# KiCad board hvd-50-ce-panel.kicad_pcb (continued)
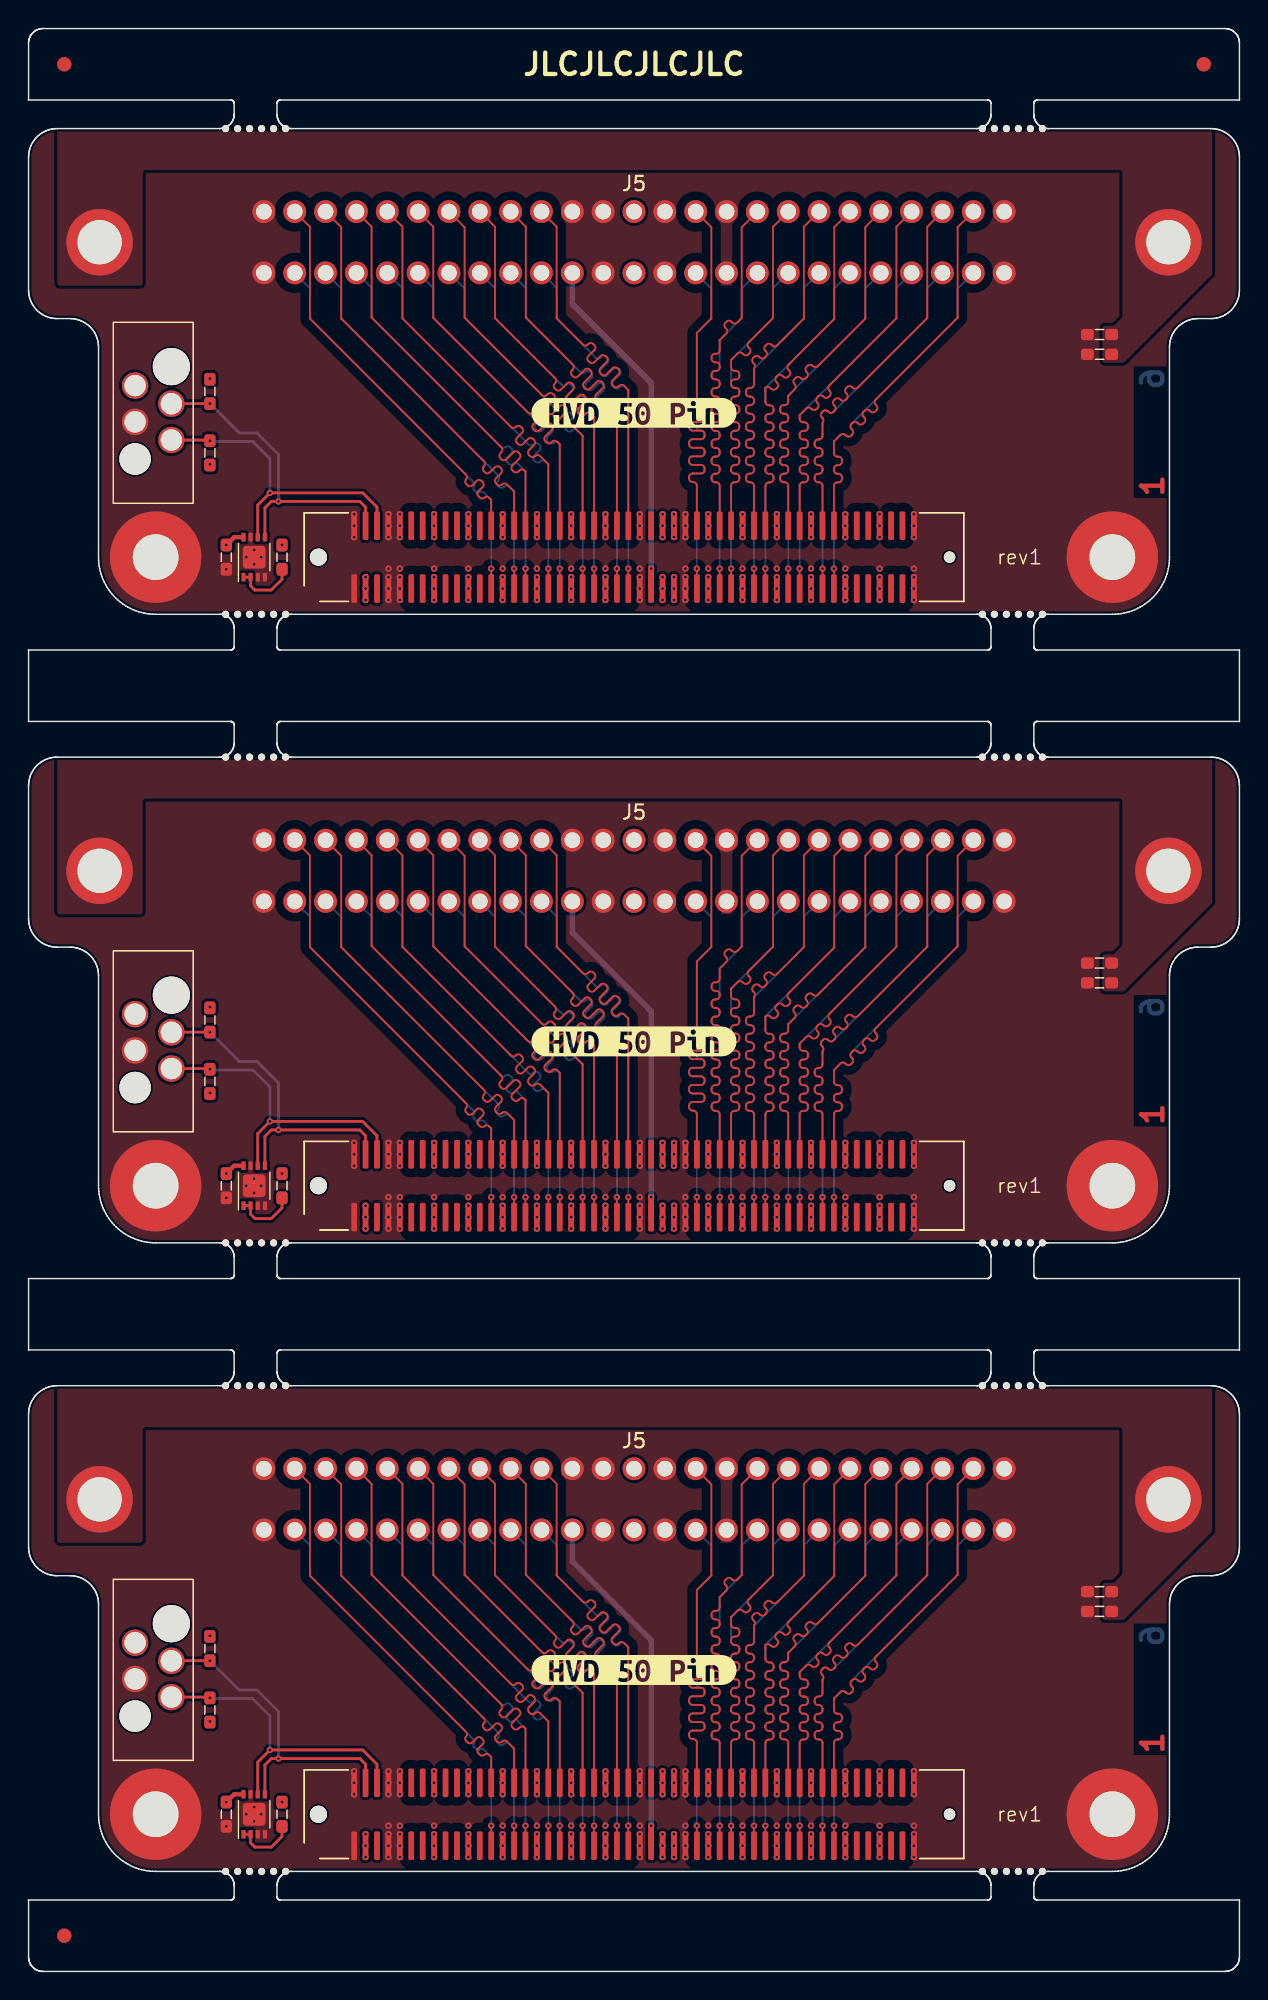
[diagram p0: board, top side]
## Routing (per net, layer and track width the routed paths; a pad name or vN(x,y) marks a point on that pad's centre or on a via; arc(x,y) is an arc through that point) (continued)
Board_1-+3V3: length 1.4
  Top w0.3: U1#2.8 14.4,56.4 v1(13.85,55.85)
  vias: v1(12.7,67.5) v1(12.7,61.5) v1(17.75,55.85) v1(23.6,53.6) v1(23.6,52.8) v1(23.6,52)
Board_1-/CON.ACK+: length 28.2
  Top w0.128: J1.67 v1(49.2,54.2)
  Bottom w0.128: J5#3.18 52.14,73.84 52.14,71.74 49.2,68.8 49.2,67.1 arc(49.27,66.93) 49.44,66.86 49.54,66.86 arc(49.71,66.79) 49.78,66.62 49.78,66.5 arc(49.71,66.33) 49.54,66.26 49.44,66.26 arc(49.27,66.19) 49.2,66.02 49.2,65.9 arc(49.27,65.73) 49.44,65.66 49.54,65.66 arc(49.71,65.59) 49.78,65.42 49.78,65.3 arc(49.71,65.13) 49.54,65.06 49.44,65.06 arc(49.27,64.99) 49.2,64.82 49.2,64.7 arc(49.27,64.53) 49.44,64.46 49.54,64.46 arc(49.71,64.39) 49.78,64.22 49.78,64.1 arc(49.71,63.93) 49.54,63.86 49.44,63.86 arc(49.27,63.79) 49.2,63.62 49.2,63.5 arc(49.27,63.33) 49.44,63.26 49.54,63.26 arc(49.71,63.19) 49.78,63.02 49.78,62.9 arc(49.71,62.73) 49.54,62.66 49.44,62.66 arc(49.27,62.59) 49.2,62.42 49.2,62.3 arc(49.27,62.13) 49.44,62.06 49.54,62.06 arc(49.71,61.99) 49.78,61.82 49.78,61.7 arc(49.71,61.53) 49.54,61.46 49.44,61.46 arc(49.27,61.39) 49.2,61.22 49.2,61.1 arc(49.27,60.93) 49.44,60.86 49.54,60.86 arc(49.71,60.79) 49.78,60.62 49.78,60.5 arc(49.71,60.33) 49.54,60.26 49.44,60.26 arc(49.27,60.19) 49.2,60.02 v1(49.2,54.2)
Board_1-/CON.ACK-: length 29.6
  Top w0.128: J5#3.43 52.14,78.13 52.14,71.74 50.42,70.03 arc(50.35,69.86) 50.42,69.69 50.49,69.62 arc(50.56,69.45) 50.49,69.28 50.41,69.19 arc(50.24,69.12) 50.07,69.19 50,69.26 arc(49.83,69.33) 49.66,69.26 49.2,68.8 49.2,68.28 arc(49.27,68.12) 49.44,68.04 49.54,68.04 arc(49.71,67.97) 49.78,67.8 49.78,67.68 arc(49.71,67.52) 49.54,67.44 49.44,67.44 arc(49.27,67.37) 49.2,67.2 49.2,67.08 arc(49.27,66.92) 49.44,66.84 49.54,66.84 arc(49.71,66.77) 49.78,66.6 49.78,66.48 arc(49.71,66.32) 49.54,66.24 49.44,66.24 arc(49.27,66.17) 49.2,66 49.2,65.88 arc(49.27,65.72) 49.44,65.64 49.54,65.64 arc(49.71,65.57) 49.78,65.4 49.78,65.28 arc(49.71,65.12) 49.54,65.04 49.44,65.04 arc(49.27,64.97) 49.2,64.8 49.2,64.68 arc(49.27,64.52) 49.44,64.44 49.54,64.44 arc(49.71,64.37) 49.78,64.2 49.78,64.08 arc(49.71,63.92) 49.54,63.84 49.44,63.84 arc(49.27,63.77) 49.2,63.6 49.2,63.48 arc(49.27,63.32) 49.44,63.24 49.54,63.24 arc(49.71,63.17) 49.78,63 49.78,62.88 arc(49.71,62.72) 49.54,62.64 49.44,62.64 arc(49.27,62.57) 49.2,62.4 49.2,62.28 arc(49.27,62.12) 49.44,62.04 49.54,62.04 arc(49.71,61.97) 49.78,61.8 49.78,61.68 arc(49.71,61.52) 49.54,61.44 49.44,61.44 arc(49.27,61.37) 49.2,61.2 49.2,61.08 arc(49.27,60.92) 49.44,60.84 49.54,60.84 arc(49.71,60.77) 49.78,60.6 49.78,60.48 arc(49.71,60.32) 49.54,60.24 49.44,60.24 arc(49.27,60.17) 49.2,60 J1.68
Board_1-/CON.ATN+: length 28.2
  Top w0.128: J1.61 v1(46.8,54.2)
  Bottom w0.128: v1(46.8,54.2) 46.8,60.02 arc(46.73,60.19) 46.56,60.26 46.48,60.26 arc(46.31,60.33) 46.24,60.5 46.24,60.62 arc(46.31,60.79) 46.48,60.86 47.12,60.86 arc(47.29,60.93) 47.36,61.1 47.36,61.22 arc(47.29,61.39) 47.12,61.46 46.48,61.46 arc(46.31,61.53) 46.24,61.7 46.24,61.82 arc(46.31,61.99) 46.48,62.06 47.12,62.06 arc(47.29,62.13) 47.36,62.3 47.36,62.42 arc(47.29,62.59) 47.12,62.66 46.48,62.66 arc(46.31,62.73) 46.24,62.9 46.24,63.02 arc(46.31,63.19) 46.48,63.26 47.12,63.26 arc(47.29,63.33) 47.36,63.5 47.36,63.62 arc(47.29,63.79) 47.12,63.86 47.04,63.86 arc(46.87,63.93) 46.8,64.1 46.8,70.7 47.81,71.71 47.81,73.81 J5#3.15
Board_1-/CON.ATN-: length 29.6
  Top w0.128: J5#3.40 47.82,78.1 47.82,71.72 46.8,70.7 46.8,65.3 arc(46.87,65.13) 47.04,65.06 47.1,65.06 arc(47.27,64.99) 47.34,64.82 47.34,64.7 arc(47.27,64.53) 47.1,64.46 46.5,64.46 arc(46.33,64.39) 46.26,64.22 46.26,64.1 arc(46.33,63.93) 46.5,63.86 47.1,63.86 arc(47.27,63.79) 47.34,63.62 47.34,63.5 arc(47.27,63.33) 47.1,63.26 46.5,63.26 arc(46.33,63.19) 46.26,63.02 46.26,62.9 arc(46.33,62.73) 46.5,62.66 47.1,62.66 arc(47.27,62.59) 47.34,62.42 47.34,62.3 arc(47.27,62.13) 47.1,62.06 46.5,62.06 arc(46.33,61.99) 46.26,61.82 46.26,61.7 arc(46.33,61.53) 46.5,61.46 47.1,61.46 arc(47.27,61.39) 47.34,61.22 47.34,61.1 arc(47.27,60.93) 47.1,60.86 46.5,60.86 arc(46.33,60.79) 46.26,60.62 46.26,60.5 arc(46.33,60.33) 46.5,60.26 46.56,60.26 arc(46.73,60.19) 46.8,60.02 J1.62
Board_1-/CON.BSY+: length 28.2
  Top w0.128: J1.65 v1(48.4,54.2)
  Bottom w0.128: J5#3.17 49.94,73.8 49.94,71.74 48.4,70.2 48.4,68.29 arc(48.33,68.12) 48.16,68.05 48.08,68.05 arc(47.91,67.98) 47.84,67.81 47.84,67.69 arc(47.91,67.52) 48.08,67.45 48.16,67.45 arc(48.33,67.38) 48.4,67.21 48.4,67.09 arc(48.33,66.92) 48.16,66.85 48.08,66.85 arc(47.91,66.78) 47.84,66.61 47.84,66.49 arc(47.91,66.32) 48.08,66.25 48.16,66.25 arc(48.33,66.18) 48.4,66.01 48.4,65.89 arc(48.33,65.72) 48.16,65.65 48.08,65.65 arc(47.91,65.58) 47.84,65.41 47.84,65.29 arc(47.91,65.12) 48.08,65.05 48.16,65.05 arc(48.33,64.98) 48.4,64.81 48.4,64.69 arc(48.33,64.52) 48.16,64.45 48.08,64.45 arc(47.91,64.38) 47.84,64.21 47.84,64.09 arc(47.91,63.92) 48.08,63.85 48.16,63.85 arc(48.33,63.78) 48.4,63.61 48.4,63.49 arc(48.33,63.32) 48.16,63.25 48.08,63.25 arc(47.91,63.18) 47.84,63.01 47.84,62.89 arc(47.91,62.72) 48.08,62.65 48.16,62.65 arc(48.33,62.58) 48.4,62.41 48.4,62.29 arc(48.33,62.12) 48.16,62.05 48.08,62.05 arc(47.91,61.98) 47.84,61.81 47.84,61.69 arc(47.91,61.52) 48.08,61.45 48.16,61.45 arc(48.33,61.38) 48.4,61.21 48.4,61.09 arc(48.33,60.92) 48.16,60.85 48.08,60.85 arc(47.91,60.78) 47.84,60.61 47.84,60.49 arc(47.91,60.32) 48.08,60.25 48.16,60.25 arc(48.33,60.18) 48.4,60.01 v1(48.4,54.2)
Board_1-/CON.BSY-: length 29.6
  Top w0.128: J1.66 48.4,60 arc(48.33,60.17) 48.16,60.24 48.07,60.24 arc(47.9,60.31) 47.83,60.48 47.83,60.6 arc(47.9,60.77) 48.07,60.84 48.16,60.84 arc(48.33,60.91) 48.4,61.08 48.4,61.2 arc(48.33,61.37) 48.16,61.44 48.07,61.44 arc(47.9,61.51) 47.83,61.68 47.83,61.8 arc(47.9,61.97) 48.07,62.04 48.16,62.04 arc(48.33,62.11) 48.4,62.28 48.4,62.4 arc(48.33,62.57) 48.16,62.64 48.07,62.64 arc(47.9,62.71) 47.83,62.88 47.83,63 arc(47.9,63.17) 48.07,63.24 48.16,63.24 arc(48.33,63.31) 48.4,63.48 48.4,63.6 arc(48.33,63.77) 48.16,63.84 48.07,63.84 arc(47.9,63.91) 47.83,64.08 47.83,64.2 arc(47.9,64.37) 48.07,64.44 48.16,64.44 arc(48.33,64.51) 48.4,64.68 48.4,64.8 arc(48.33,64.97) 48.16,65.04 48.07,65.04 arc(47.9,65.11) 47.83,65.28 47.83,65.4 arc(47.9,65.57) 48.07,65.64 48.16,65.64 arc(48.33,65.71) 48.4,65.88 48.4,66 arc(48.33,66.17) 48.16,66.24 48.07,66.24 arc(47.9,66.31) 47.83,66.48 47.83,66.6 arc(47.9,66.77) 48.07,66.84 48.16,66.84 arc(48.33,66.91) 48.4,67.08 48.4,67.2 arc(48.33,67.37) 48.16,67.44 48.07,67.44 arc(47.9,67.51) 47.83,67.68 47.83,67.8 arc(47.9,67.97) 48.07,68.04 48.16,68.04 arc(48.33,68.11) 48.4,68.28 48.4,68.4 arc(48.33,68.57) 48.16,68.64 48.07,68.64 arc(47.9,68.71) 47.83,68.88 47.83,69 arc(47.9,69.17) 48.07,69.24 48.16,69.24 arc(48.33,69.31) 48.4,69.48 48.4,70.2 48.86,70.66 arc(48.93,70.83) 48.86,71 48.8,71.06 arc(48.73,71.23) 48.8,71.4 48.88,71.49 arc(49.05,71.56) 49.22,71.49 49.28,71.43 arc(49.45,71.35) 49.62,71.43 49.94,71.75 49.94,78.1 J5#3.42
Board_1-/CON.C/D+: length 28.2
  Top w0.128: J1.79 v1(54,54.2)
  Bottom w0.128: v1(54,54.2) 54,60.01 arc(54.07,60.18) 54.24,60.25 54.32,60.25 arc(54.49,60.32) 54.56,60.49 54.56,60.61 arc(54.49,60.78) 54.32,60.85 54.24,60.85 arc(54.07,60.92) 54,61.09 54,61.21 arc(54.07,61.38) 54.24,61.45 54.32,61.45 arc(54.49,61.52) 54.56,61.69 54.56,61.81 arc(54.49,61.98) 54.32,62.05 54.24,62.05 arc(54.07,62.12) 54,62.29 54,62.41 arc(54.07,62.58) 54.24,62.65 54.32,62.65 arc(54.49,62.72) 54.56,62.89 54.56,63.01 arc(54.49,63.18) 54.32,63.25 54.24,63.25 arc(54.07,63.32) 54,63.49 54,63.61 arc(54.07,63.78) 54.24,63.85 54.32,63.85 arc(54.49,63.92) 54.56,64.09 54.56,64.21 arc(54.49,64.38) 54.32,64.45 54.24,64.45 arc(54.07,64.52) 54,64.69 54,64.95 60.77,71.72 60.77,73.83 J5#3.22
Board_1-/CON.C/D-: length 29.6
  Top w0.128: J1.80 54,60 arc(54.07,60.17) 54.24,60.24 54.35,60.24 arc(54.52,60.31) 54.59,60.48 54.59,60.6 arc(54.52,60.77) 54.35,60.84 54.24,60.84 arc(54.07,60.91) 54,61.08 54,61.2 arc(54.07,61.37) 54.24,61.44 54.35,61.44 arc(54.52,61.51) 54.59,61.68 54.59,61.8 arc(54.52,61.97) 54.35,62.04 54.24,62.04 arc(54.07,62.11) 54,62.28 54,62.4 arc(54.07,62.57) 54.24,62.64 54.35,62.64 arc(54.52,62.71) 54.59,62.88 54.59,63 arc(54.52,63.17) 54.35,63.24 54.24,63.24 arc(54.07,63.31) 54,63.48 54,63.6 arc(54.07,63.77) 54.24,63.84 54.35,63.84 arc(54.52,63.91) 54.59,64.08 54.59,64.2 arc(54.52,64.37) 54.35,64.44 54.24,64.44 arc(54.07,64.51) 54,64.68 54,64.95 54.46,65.41 arc(54.63,65.48) 54.8,65.41 54.84,65.37 arc(55.01,65.3) 55.18,65.37 55.26,65.45 arc(55.33,65.62) 55.26,65.79 55.22,65.83 arc(55.15,66) 55.22,66.17 55.31,66.26 arc(55.48,66.33) 55.65,66.26 55.69,66.22 arc(55.86,66.15) 56.03,66.22 56.11,66.3 arc(56.18,66.47) 56.11,66.64 56.07,66.68 arc(56,66.85) 56.07,67.02 56.16,67.11 60.78,71.73 60.78,78.13 J5#3.47
Board_1-/CON.DB0+: length 28.2
  Top w0.128: J1.25 v1(32.4,54.2)
  Bottom w0.128: v1(32.4,54.2) 32.4,59 31.86,59.54 arc(31.74,59.59) 31.61,59.54 arc(31.49,59.49) 31.37,59.54 31.19,59.72 arc(31.14,59.84) 31.19,59.96 arc(31.24,60.09) 31.19,60.21 19.7,71.7 19.7,73.84 J5#3.2
Board_1-/CON.DB0-: length 29.6
  Top w0.128: J5#3.27 19.7,78.13 19.7,71.71 30.64,60.77 arc(30.71,60.61) 30.64,60.45 arc(30.58,60.29) 30.64,60.13 30.75,60.03 arc(30.91,59.96) 31.07,60.03 31.38,60.35 arc(31.55,60.41) 31.71,60.35 31.81,60.24 arc(31.88,60.08) 31.81,59.92 31.49,59.6 arc(31.42,59.44) 31.49,59.28 31.61,59.17 arc(31.77,59.1) 31.93,59.17 arc(32.08,59.23) 32.24,59.17 32.4,59.01 J1.26
Board_1-/CON.DB1+: length 28.2
  Top w0.128: J1.29 v1(34,54.2)
  Bottom w0.128: v1(34,54.2) 34,59.6 33.66,59.94 arc(33.49,60.01) 33.32,59.94 33.29,59.91 arc(33.12,59.84) 32.95,59.91 32.87,60 arc(32.8,60.17) 32.87,60.34 32.9,60.37 arc(32.97,60.54) 32.9,60.71 21.9,71.7 21.9,73.8 J5#3.3
Board_1-/CON.DB1-: length 29.6
  Top w0.128: J5#3.28 21.9,78.1 21.9,71.71 31.81,61.8 31.89,61.71 arc(31.96,61.54) 31.89,61.37 31.88,61.36 arc(31.81,61.19) 31.88,61.02 31.96,60.94 arc(32.13,60.87) 32.3,60.94 32.67,61.3 arc(32.84,61.37) 33.01,61.3 33.09,61.22 arc(33.16,61.05) 33.09,60.88 32.73,60.51 arc(32.66,60.34) 32.73,60.17 32.81,60.09 arc(32.98,60.02) 33.15,60.09 33.16,60.1 arc(33.33,60.17) 33.5,60.1 34,59.6 J1.30
Board_1-/CON.DB2+: length 28.2
  Top w0.128: J1.31 v1(34.8,54.2)
  Bottom w0.128: v1(34.8,54.2) 34.8,61 34.27,61.53 arc(34.11,61.6) 33.96,61.53 arc(33.8,61.47) 33.65,61.53 33.52,61.66 arc(33.45,61.82) 33.52,61.97 33.83,62.28 arc(33.9,62.44) 33.83,62.59 33.72,62.71 arc(33.56,62.77) 33.41,62.71 arc(33.25,62.64) 33.1,62.71 24.03,71.78 24.03,73.84 J5#3.4
Board_1-/CON.DB2-: length 29.6
  Top w0.128: J5#3.29 24.02,78.13 24.02,71.78 33.11,62.69 arc(33.18,62.52) 33.11,62.35 33.04,62.27 arc(32.97,62.1) 33.04,61.93 33.12,61.85 arc(33.29,61.77) 33.46,61.85 33.96,62.34 arc(34.13,62.41) 34.3,62.34 34.38,62.26 arc(34.45,62.09) 34.38,61.92 33.88,61.42 arc(33.81,61.25) 33.88,61.08 33.97,61 arc(34.14,60.93) 34.31,61 34.39,61.08 arc(34.56,61.15) 34.73,61.08 34.8,61 J1.32
Board_1-/CON.DB3+: length 28.2
  Top w0.128: J1.35 v1(36.4,54.2)
  Bottom w0.128: J5#3.5 26.18,73.84 26.18,71.72 35.01,62.9 arc(35.18,62.83) 35.35,62.9 35.37,62.92 arc(35.54,62.99) 35.71,62.92 35.79,62.83 arc(35.86,62.66) 35.79,62.49 35.41,62.11 arc(35.34,61.94) 35.41,61.77 35.49,61.69 arc(35.66,61.62) 35.83,61.69 35.85,61.71 arc(36.02,61.78) 36.19,61.71 36.4,61.5 v1(36.4,54.2)
Board_1-/CON.DB3-: length 29.6
  Top w0.128: J5#3.30 26.18,78.13 26.18,71.72 33.78,64.12 arc(33.95,64.05) 34.12,64.12 34.14,64.13 arc(34.31,64.2) 34.47,64.13 34.56,64.05 arc(34.63,63.88) 34.56,63.71 34.19,63.34 arc(34.12,63.17) 34.19,63 34.28,62.92 arc(34.45,62.85) 34.62,62.92 34.98,63.28 arc(35.15,63.35) 35.32,63.28 35.41,63.2 arc(35.48,63.03) 35.41,62.86 35.04,62.49 arc(34.97,62.32) 35.04,62.15 35.13,62.07 arc(35.3,62) 35.47,62.07 35.48,62.08 arc(35.65,62.15) 35.82,62.08 36.4,61.5 J1.36
Board_1-/CON.DB4+: length 28.2
  Top w0.128: J1.37 v1(37.2,54.2)
  Bottom w0.128: J5#3.6 28.35,73.83 28.35,71.75 35.49,64.61 arc(35.56,64.44) 35.49,64.28 arc(35.43,64.12) 35.49,63.95 35.59,63.86 arc(35.75,63.79) 35.92,63.86 36.25,64.18 arc(36.41,64.25) 36.58,64.18 36.67,64.09 arc(36.74,63.93) 36.67,63.76 36.34,63.43 arc(36.27,63.27) 36.34,63.1 36.44,63 arc(36.61,62.93) 36.77,63 arc(36.94,63.07) 37.1,63 37.2,62.9 v1(37.2,54.2)
Board_1-/CON.DB4-: length 29.6
  Top w0.128: J1.38 37.2,62.9 37.01,63.09 arc(36.84,63.16) 36.67,63.09 36.61,63.03 arc(36.44,62.96) 36.27,63.03 36.18,63.11 arc(36.11,63.28) 36.18,63.45 36.65,63.92 arc(36.72,64.09) 36.65,64.26 36.56,64.34 arc(36.4,64.41) 36.23,64.34 35.76,63.88 arc(35.59,63.81) 35.42,63.88 35.34,63.96 arc(35.27,64.13) 35.34,64.3 35.8,64.77 arc(35.87,64.94) 35.8,65.11 35.72,65.19 arc(35.55,65.26) 35.38,65.19 35.31,65.13 arc(35.14,65.06) 34.97,65.13 28.34,71.76 28.34,78.13 J5#3.31
Board_1-/CON.DB5+: length 28.2
  Top w0.128: J1.41 v1(38.8,54.2)
  Bottom w0.128: v1(38.8,54.2) 38.8,63.5 38.42,63.88 arc(38.25,63.95) 38.08,63.88 38.06,63.86 arc(37.9,63.79) 37.73,63.86 37.64,63.94 arc(37.57,64.11) 37.64,64.28 38.02,64.66 arc(38.09,64.83) 38.02,65 37.93,65.09 arc(37.76,65.16) 37.59,65.09 37.22,64.71 arc(37.05,64.64) 36.88,64.71 36.79,64.79 arc(36.72,64.96) 36.79,65.13 36.81,65.15 arc(36.88,65.32) 36.81,65.49 36.73,65.58 30.54,71.76 30.54,73.8 J5#3.7
Board_1-/CON.DB5-: length 29.6
  Top w0.128: J1.42 38.8,63.5 37.99,64.31 arc(37.82,64.38) 37.65,64.31 37.57,64.23 arc(37.4,64.16) 37.23,64.23 37.14,64.31 arc(37.07,64.48) 37.14,64.65 37.65,65.16 arc(37.72,65.33) 37.65,65.5 37.56,65.58 arc(37.4,65.65) 37.23,65.58 36.72,65.08 arc(36.55,65.01) 36.38,65.08 36.3,65.16 arc(36.23,65.33) 36.3,65.5 36.8,66.01 arc(36.87,66.18) 36.8,66.35 36.72,66.43 arc(36.55,66.5) 36.38,66.43 36.29,66.35 arc(36.12,66.28) 35.95,66.35 35.87,66.43 30.54,71.77 30.54,78.1 J5#3.32
Board_1-/CON.DB6+: length 28.2
  Top w0.128: J1.43 v1(39.6,54.2)
  Bottom w0.128: v1(39.6,54.2) 39.6,64.8 39.37,65.04 arc(39.2,65.1) 39.03,65.04 arc(38.86,64.97) 38.69,65.04 38.6,65.12 arc(38.53,65.29) 38.6,65.46 38.94,65.8 arc(39.01,65.97) 38.94,66.13 38.85,66.22 arc(38.69,66.29) 38.52,66.22 38.18,65.89 arc(38.01,65.82) 37.84,65.89 37.76,65.97 arc(37.69,66.14) 37.76,66.31 38.09,66.65 arc(38.16,66.81) 38.09,66.98 38,67.07 arc(37.84,67.14) 37.67,67.07 arc(37.5,67) 37.33,67.07 32.66,71.74 32.66,73.84 J5#3.8
Board_1-/CON.DB6-: length 29.6
  Top w0.128: J5#3.33 32.66,78.13 32.66,71.74 36.88,67.52 arc(36.95,67.35) 36.88,67.18 36.85,67.15 arc(36.78,66.98) 36.85,66.81 36.93,66.73 arc(37.1,66.66) 37.27,66.73 37.71,67.17 arc(37.88,67.24) 38.05,67.17 38.13,67.08 arc(38.2,66.91) 38.13,66.74 37.7,66.3 arc(37.63,66.13) 37.7,65.96 37.78,65.88 arc(37.95,65.81) 38.12,65.88 38.56,66.32 arc(38.73,66.39) 38.9,66.32 38.98,66.23 arc(39.05,66.06) 38.98,65.89 38.51,65.42 arc(38.44,65.25) 38.51,65.08 38.59,65 arc(38.76,64.92) 38.93,65 39,65.06 arc(39.17,65.13) 39.34,65.06 39.6,64.8 J1.44
Board_1-/CON.DB7+: length 28.2
  Top w0.128: J1.47 v1(41.2,54.2)
  Bottom w0.128: v1(41.2,54.2) 41.2,65.4 40.68,65.92 arc(40.51,65.99) 40.34,65.92 40.33,65.9 arc(40.16,65.83) 39.99,65.9 39.9,65.99 arc(39.83,66.16) 39.9,66.33 40.28,66.7 arc(40.35,66.87) 40.28,67.04 40.19,67.13 arc(40.02,67.2) 39.85,67.13 39.48,66.75 arc(39.31,66.68) 39.14,66.75 39.05,66.83 arc(38.98,67) 39.05,67.17 39.43,67.55 arc(39.5,67.72) 39.43,67.89 39.34,67.97 arc(39.17,68.04) 39,67.97 38.99,67.96 arc(38.82,67.89) 38.65,67.96 34.82,71.78 34.82,73.84 J5#3.9
Board_1-/CON.DB7-: length 29.6
  Top w0.128: J1.48 41.2,65.4 40.58,66.02 arc(40.41,66.09) 40.24,66.02 40.17,65.95 arc(40,65.88) 39.83,65.95 39.75,66.04 arc(39.68,66.21) 39.75,66.38 40.22,66.86 arc(40.29,67.03) 40.22,67.2 40.14,67.28 arc(39.97,67.35) 39.8,67.28 39.32,66.8 arc(39.15,66.73) 38.98,66.8 38.9,66.89 arc(38.83,67.06) 38.9,67.23 39.38,67.7 arc(39.45,67.87) 39.38,68.04 39.29,68.13 arc(39.12,68.2) 38.95,68.13 38.47,67.65 arc(38.3,67.58) 38.13,67.65 38.05,67.74 arc(37.98,67.91) 38.05,68.08 38.12,68.14 arc(38.19,68.31) 38.12,68.48 34.82,71.78 34.82,78.13 J5#3.34
Board_1-/CON.DIFFSENSE: length 24.4
  Top w0.4: J1.53 v1(43.6,54.2)
  Bottom w0.4: J5#3.11 38.08,72.72 43.6,67.2 v1(43.6,54.2)
Board_1-/CON.DP0+: length 28.2
  Top w0.128: J1.49 v1(42,54.2)
  Bottom w0.128: J5#3.10 36.98,73.84 36.98,71.72 39.72,68.98 arc(39.89,68.91) 40.06,68.98 40.13,69.05 arc(40.3,69.12) 40.47,69.05 40.56,68.96 arc(40.63,68.79) 40.56,68.62 40.08,68.15 arc(40.01,67.98) 40.08,67.81 40.16,67.72 arc(40.33,67.65) 40.5,67.72 40.98,68.2 arc(41.15,68.27) 41.32,68.2 41.4,68.11 arc(41.47,67.94) 41.4,67.77 40.93,67.3 arc(40.86,67.13) 40.93,66.96 41.01,66.87 arc(41.18,66.8) 41.35,66.87 41.42,66.94 arc(41.59,67.01) 41.76,66.94 42,66.7 v1(42,54.2)
Board_1-/CON.DP0-: length 29.6
  Top w0.128: J1.50 42,66.7 41.7,67 arc(41.54,67.07) 41.37,67 41.32,66.95 arc(41.15,66.88) 40.98,66.95 40.89,67.04 arc(40.82,67.21) 40.89,67.37 41.33,67.81 arc(41.4,67.98) 41.33,68.15 41.24,68.23 arc(41.07,68.3) 40.9,68.23 40.47,67.8 arc(40.3,67.73) 40.13,67.8 40.05,67.88 arc(39.98,68.05) 40.05,68.22 40.48,68.66 arc(40.55,68.83) 40.48,69 40.39,69.08 arc(40.22,69.15) 40.05,69.08 39.62,68.65 arc(39.45,68.58) 39.28,68.65 39.2,68.73 arc(39.13,68.9) 39.2,69.07 39.63,69.5 arc(39.7,69.67) 39.63,69.84 39.55,69.93 arc(39.38,70) 39.21,69.93 39.16,69.88 arc(38.99,69.81) 38.82,69.88 36.98,71.72 36.98,78.13 J5#3.35
Board_1-/CON.I/O+: length 28.2
  Top w0.128: J1.85 v1(56.4,54.2)
  Bottom w0.128: v1(56.4,54.2) 56.4,60.01 arc(56.47,60.17) 56.64,60.25 56.71,60.25 arc(56.88,60.32) 56.95,60.49 56.95,60.61 arc(56.88,60.77) 56.71,60.85 56.64,60.85 arc(56.47,60.92) 56.4,61.09 56.4,61.21 arc(56.47,61.37) 56.64,61.45 56.71,61.45 arc(56.88,61.52) 56.95,61.69 56.95,61.81 arc(56.88,61.97) 56.71,62.05 56.64,62.05 arc(56.47,62.12) 56.4,62.29 56.4,63.1 56.86,63.56 arc(57.03,63.63) 57.2,63.56 57.25,63.51 arc(57.42,63.44) 57.59,63.51 57.67,63.6 arc(57.74,63.77) 57.67,63.94 57.62,63.99 arc(57.55,64.16) 57.62,64.33 57.71,64.41 65.06,71.76 65.06,73.8 J5#3.24
Board_1-/CON.I/O-: length 29.6
  Top w0.128: J5#3.49 65.06,78.1 65.06,71.77 59.41,66.11 59.32,66.02 arc(59.25,65.85) 59.32,65.68 59.38,65.62 arc(59.45,65.45) 59.38,65.28 59.3,65.2 arc(59.13,65.13) 58.96,65.2 58.9,65.26 arc(58.73,65.33) 58.56,65.26 58.47,65.17 arc(58.4,65) 58.47,64.83 58.53,64.77 arc(58.6,64.6) 58.53,64.44 58.45,64.35 arc(58.28,64.28) 58.11,64.35 58.05,64.41 arc(57.88,64.48) 57.71,64.41 57.62,64.33 arc(57.55,64.16) 57.62,63.99 57.68,63.93 arc(57.75,63.76) 57.68,63.59 57.6,63.5 arc(57.43,63.43) 57.26,63.5 57.2,63.56 arc(57.03,63.63) 56.86,63.56 56.4,63.1 56.4,62.28 arc(56.47,62.11) 56.64,62.04 56.72,62.04 arc(56.89,61.97) 56.96,61.8 56.96,61.68 arc(56.89,61.51) 56.72,61.44 56.64,61.44 arc(56.47,61.37) 56.4,61.2 56.4,61.08 arc(56.47,60.91) 56.64,60.84 56.72,60.84 arc(56.89,60.77) 56.96,60.6 56.96,60.48 arc(56.89,60.31) 56.72,60.24 56.64,60.24 arc(56.47,60.17) 56.4,60 J1.86
Board_1-/CON.MSG+: length 28.2
  Top w0.128: J1.73 v1(51.6,54.2)
  Bottom w0.128: v1(51.6,54.2) 51.6,60 arc(51.67,60.17) 51.84,60.24 51.93,60.24 arc(52.1,60.31) 52.17,60.48 52.17,60.6 arc(52.1,60.77) 51.93,60.84 51.84,60.84 arc(51.67,60.91) 51.6,61.08 51.6,61.2 arc(51.67,61.37) 51.84,61.44 51.93,61.44 arc(52.1,61.51) 52.17,61.68 52.17,61.8 arc(52.1,61.97) 51.93,62.04 51.84,62.04 arc(51.67,62.11) 51.6,62.28 51.6,62.4 arc(51.67,62.57) 51.84,62.64 51.93,62.64 arc(52.1,62.71) 52.17,62.88 52.17,63 arc(52.1,63.17) 51.93,63.24 51.84,63.24 arc(51.67,63.31) 51.6,63.48 51.6,63.6 arc(51.67,63.77) 51.84,63.84 51.93,63.84 arc(52.1,63.91) 52.17,64.08 52.17,64.2 arc(52.1,64.37) 51.93,64.44 51.84,64.44 arc(51.67,64.51) 51.6,64.68 51.6,64.8 arc(51.67,64.97) 51.84,65.04 51.93,65.04 arc(52.1,65.11) 52.17,65.28 52.17,65.4 arc(52.1,65.57) 51.93,65.64 51.84,65.64 arc(51.67,65.71) 51.6,65.88 51.6,66.85 56.42,71.67 56.42,73.8 J5#3.20
Board_1-/CON.MSG-: length 29.6
  Top w0.128: J5#3.45 56.42,78.1 56.42,71.68 53.21,68.46 arc(53.14,68.29) 53.21,68.12 53.28,68.06 arc(53.35,67.89) 53.28,67.72 53.2,67.63 arc(53.03,67.56) 52.86,67.63 52.79,67.7 arc(52.62,67.77) 52.45,67.7 52.36,67.62 arc(52.29,67.45) 52.36,67.28 52.43,67.21 arc(52.5,67.04) 52.43,66.87 52.35,66.78 arc(52.18,66.71) 52.01,66.78 51.94,66.85 arc(51.77,66.92) 51.6,66.85 51.6,65.87 arc(51.67,65.7) 51.84,65.63 51.94,65.63 arc(52.11,65.56) 52.18,65.39 52.18,65.27 arc(52.11,65.1) 51.94,65.03 51.84,65.03 arc(51.67,64.96) 51.6,64.79 51.6,64.67 arc(51.67,64.5) 51.84,64.43 51.94,64.43 arc(52.11,64.36) 52.18,64.19 52.18,64.07 arc(52.11,63.9) 51.94,63.83 51.84,63.83 arc(51.67,63.76) 51.6,63.59 51.6,63.47 arc(51.67,63.3) 51.84,63.23 51.94,63.23 arc(52.11,63.16) 52.18,62.99 52.18,62.87 arc(52.11,62.7) 51.94,62.63 51.84,62.63 arc(51.67,62.56) 51.6,62.39 51.6,62.27 arc(51.67,62.1) 51.84,62.03 51.94,62.03 arc(52.11,61.96) 52.18,61.79 52.18,61.67 arc(52.11,61.5) 51.94,61.43 51.84,61.43 arc(51.67,61.36) 51.6,61.19 51.6,61.07 arc(51.67,60.9) 51.84,60.83 51.94,60.83 arc(52.11,60.76) 52.18,60.59 52.18,60.47 arc(52.11,60.3) 51.94,60.23 51.84,60.23 arc(51.67,60.16) 51.6,59.99 J1.74
Board_1-/CON.REQ+: length 28.2
  Top w0.128: J1.83 v1(55.6,54.2)
  Bottom w0.128: v1(55.6,54.2) 55.6,59.99 arc(55.53,60.16) 55.36,60.23 55.31,60.23 arc(55.14,60.3) 55.07,60.47 55.07,60.59 arc(55.14,60.76) 55.31,60.83 55.36,60.83 arc(55.53,60.9) 55.6,61.07 55.6,61.19 arc(55.53,61.36) 55.36,61.43 55.31,61.43 arc(55.14,61.5) 55.07,61.67 55.07,61.79 arc(55.14,61.96) 55.31,62.03 55.36,62.03 arc(55.53,62.1) 55.6,62.27 55.6,62.39 arc(55.53,62.56) 55.36,62.63 55.31,62.63 arc(55.14,62.7) 55.07,62.87 55.07,62.99 arc(55.14,63.16) 55.31,63.23 55.36,63.23 arc(55.53,63.3) 55.6,63.47 55.6,64.4 arc(55.67,64.57) 55.6,64.74 55.56,64.78 arc(55.49,64.95) 55.56,65.12 55.65,65.2 arc(55.82,65.27) 55.99,65.2 56.02,65.17 arc(56.19,65.1) 56.36,65.17 56.45,65.25 62.94,71.74 62.94,73.84 J5#3.23
Board_1-/CON.REQ-: length 29.6
  Top w0.128: J5#3.48 62.94,78.13 62.94,71.74 58.06,66.86 arc(57.89,66.79) 57.72,66.86 57.67,66.91 arc(57.5,66.98) 57.33,66.91 57.25,66.83 arc(57.18,66.66) 57.25,66.49 57.3,66.44 arc(57.37,66.27) 57.3,66.1 57.21,66.01 arc(57.04,65.94) 56.87,66.01 56.82,66.06 arc(56.65,66.14) 56.48,66.07 56.4,65.98 arc(56.33,65.81) 56.4,65.64 56.45,65.59 arc(56.52,65.42) 56.45,65.25 56.36,65.17 arc(56.19,65.1) 56.02,65.17 55.97,65.22 arc(55.8,65.29) 55.63,65.22 55.55,65.13 arc(55.48,64.96) 55.55,64.79 55.6,64.74 arc(55.67,64.57) 55.6,64.4 55.6,63.48 arc(55.53,63.31) 55.36,63.24 55.29,63.24 arc(55.12,63.17) 55.05,63 55.05,62.88 arc(55.12,62.71) 55.29,62.64 55.36,62.64 arc(55.53,62.57) 55.6,62.4 55.6,62.28 arc(55.53,62.11) 55.36,62.04 55.29,62.04 arc(55.12,61.97) 55.05,61.8 55.05,61.68 arc(55.12,61.51) 55.29,61.44 55.36,61.44 arc(55.53,61.37) 55.6,61.2 55.6,61.08 arc(55.53,60.91) 55.36,60.84 55.29,60.84 arc(55.12,60.77) 55.05,60.6 55.05,60.48 arc(55.12,60.31) 55.29,60.24 55.36,60.24 arc(55.53,60.17) 55.6,60 J1.84
Board_1-/CON.RST+: length 28.2
  Top w0.128: J1.71 v1(50.8,54.2)
  Bottom w0.128: v1(50.8,54.2) 50.8,59.99 arc(50.73,60.16) 50.56,60.23 50.48,60.23 arc(50.31,60.3) 50.24,60.47 50.24,60.59 arc(50.31,60.76) 50.48,60.83 50.56,60.83 arc(50.73,60.9) 50.8,61.07 50.8,61.19 arc(50.73,61.36) 50.56,61.43 50.48,61.43 arc(50.31,61.5) 50.24,61.67 50.24,61.79 arc(50.31,61.96) 50.48,62.03 50.56,62.03 arc(50.73,62.1) 50.8,62.27 50.8,62.39 arc(50.73,62.56) 50.56,62.63 50.48,62.63 arc(50.31,62.7) 50.24,62.87 50.24,62.99 arc(50.31,63.16) 50.48,63.23 50.56,63.23 arc(50.73,63.3) 50.8,63.47 50.8,63.59 arc(50.73,63.76) 50.56,63.83 50.48,63.83 arc(50.31,63.9) 50.24,64.07 50.24,64.19 arc(50.31,64.36) 50.48,64.43 50.56,64.43 arc(50.73,64.5) 50.8,64.67 50.8,64.79 arc(50.73,64.96) 50.56,65.03 50.48,65.03 arc(50.31,65.1) 50.24,65.27 50.24,65.39 arc(50.31,65.56) 50.48,65.63 50.56,65.63 arc(50.73,65.7) 50.8,65.87 50.8,65.99 arc(50.73,66.16) 50.56,66.23 50.48,66.23 arc(50.31,66.3) 50.24,66.47 50.24,66.59 arc(50.31,66.76) 50.48,66.83 50.56,66.83 arc(50.73,66.9) 50.8,67.07 50.8,68.2 54.3,71.7 54.3,73.84 J5#3.19
Board_1-/CON.RST-: length 29.6
  Top w0.128: J5#3.44 54.3,78.13 54.3,71.71 52.41,69.82 arc(52.24,69.75) 52.07,69.82 52.01,69.88 arc(51.84,69.95) 51.67,69.88 51.59,69.8 arc(51.52,69.63) 51.59,69.46 51.65,69.4 arc(51.72,69.23) 51.65,69.06 51.56,68.97 arc(51.39,68.9) 51.22,68.97 51.16,69.03 arc(50.99,69.1) 50.82,69.03 50.74,68.95 arc(50.67,68.78) 50.74,68.61 50.8,68.55 arc(50.87,68.38) 50.8,68.21 50.8,67.09 arc(50.73,66.92) 50.56,66.85 50.48,66.85 arc(50.31,66.78) 50.24,66.61 50.24,66.49 arc(50.31,66.32) 50.48,66.25 50.56,66.25 arc(50.73,66.18) 50.8,66.01 50.8,65.89 arc(50.73,65.72) 50.56,65.65 50.48,65.65 arc(50.31,65.58) 50.24,65.41 50.24,65.29 arc(50.31,65.12) 50.48,65.05 50.56,65.05 arc(50.73,64.98) 50.8,64.81 50.8,64.69 arc(50.73,64.52) 50.56,64.45 50.48,64.45 arc(50.31,64.38) 50.24,64.21 50.24,64.09 arc(50.31,63.92) 50.48,63.85 50.56,63.85 arc(50.73,63.78) 50.8,63.61 50.8,63.49 arc(50.73,63.32) 50.56,63.25 50.48,63.25 arc(50.31,63.18) 50.24,63.01 50.24,62.89 arc(50.31,62.72) 50.48,62.65 50.56,62.65 arc(50.73,62.58) 50.8,62.41 50.8,62.29 arc(50.73,62.12) 50.56,62.05 50.48,62.05 arc(50.31,61.98) 50.24,61.81 50.24,61.69 arc(50.31,61.52) 50.48,61.45 50.56,61.45 arc(50.73,61.38) 50.8,61.21 50.8,61.09 arc(50.73,60.92) 50.56,60.85 50.48,60.85 arc(50.31,60.78) 50.24,60.61 50.24,60.49 arc(50.31,60.32) 50.48,60.25 50.56,60.25 arc(50.73,60.18) 50.8,60.01 J1.72